# Altium PCB JP-LED.PcbDoc (part 2 of 2)
Units mm, origin at the board's own origin, x right, y up, seen from the top; angles counter-clockwise.
Board outline 116.58 x 76.58 mm, 2 copper layers (Top Layer, Bottom Layer); 109 components, 22 nets, 244 pads, 139 vias.
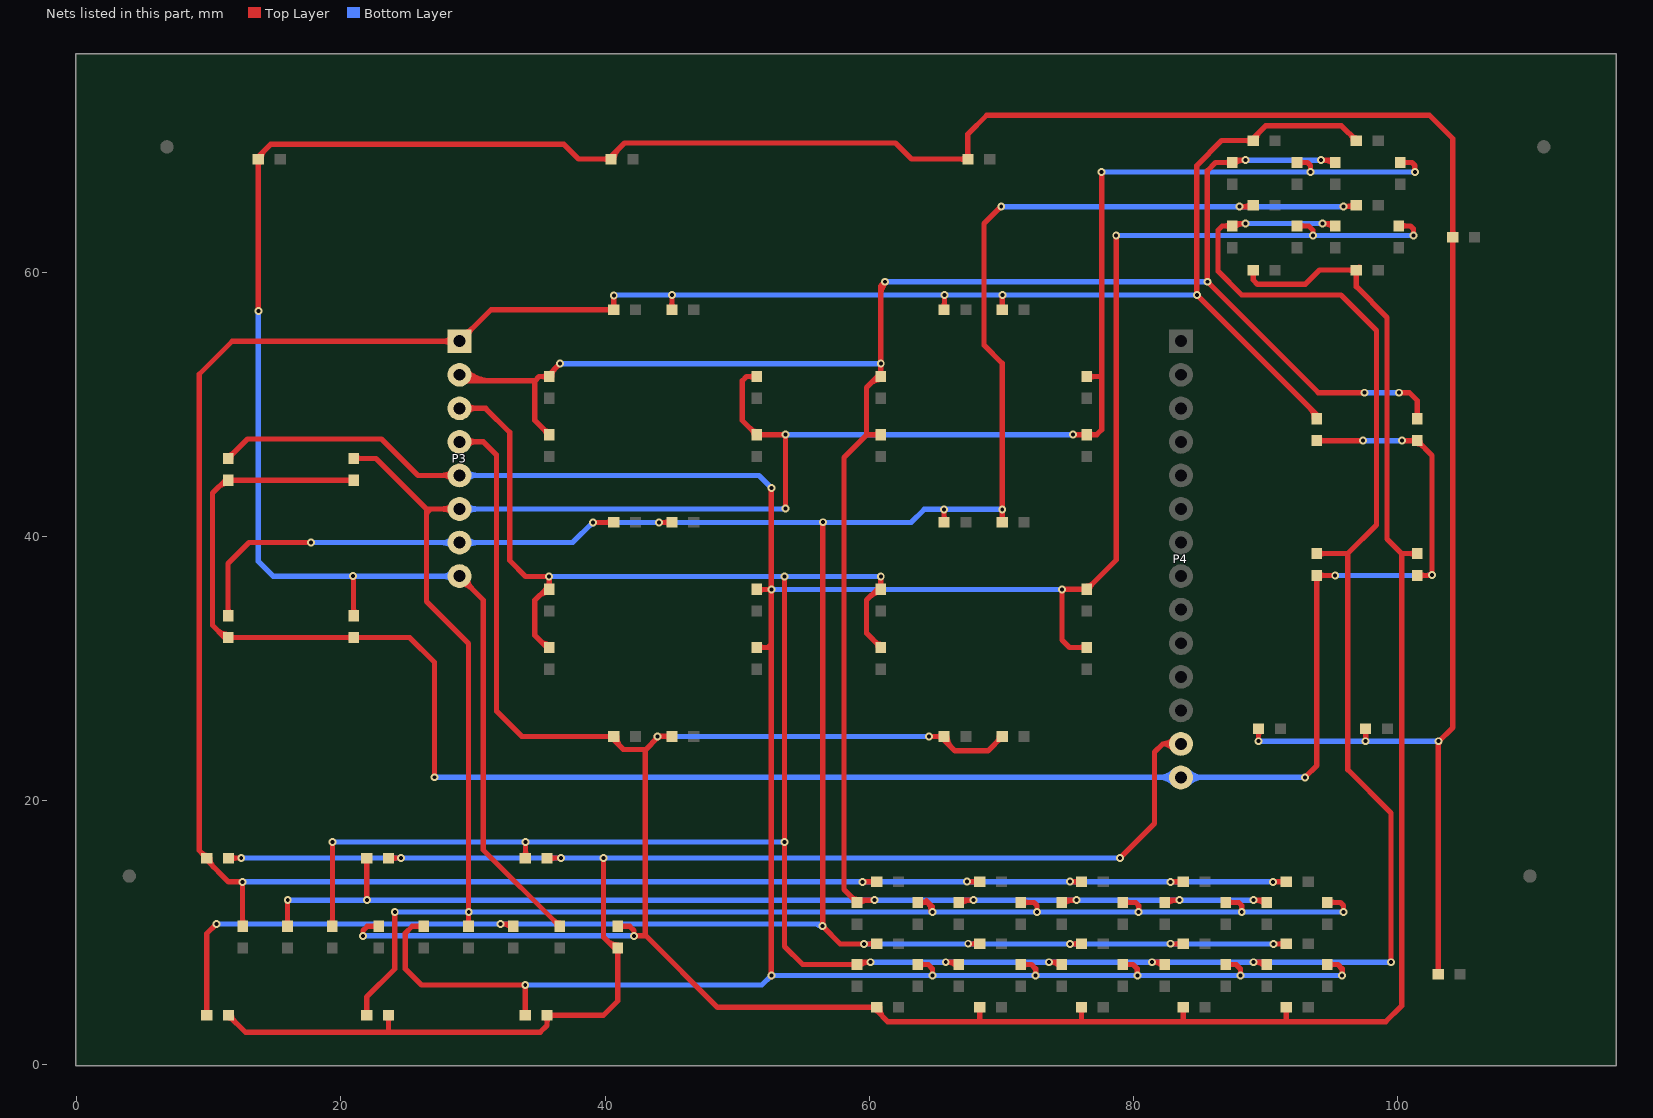
[diagram p2: the nets of this part, all layers, seen from the top]

## Via types
v1: diameter 0.6, hole 0.3, Top Layer to Bottom Layer, tented both sides, 139 vias

## Nets (pads, with @x,y where several pads share a name; then routed paths per layer and width w, separated by ;. In a path a pad name is that pad's centre, name@x,y a point inside that pad or via, vN(x,y) a via of type N, cw(c..) or ccw(c..) an arc to the next point about the centre after c; other vN are vias at no path point) (continued)
GRID13: D56.2 D65.2 D74.2 D83.2 D92.2 D101.2 D102.2 P4.13 | length 140.6
  Top Layer w0.4: D102.2@11.514,3.759 12.795,2.477 35.088,2.477 35.614,3.003 D92.2@35.614,3.759 39.87,3.759 40.97,4.859 D83.2@40.97,8.852 40.714,8.852 39.888,9.677 v1(39.888,15.677) ; D56.2@11.514,15.659 v1(12.47,15.659) ; 23.614,2.703 D101.2@23.614,3.759 ; D65.2@23.614,15.659 v1(24.57,15.659) ; D74.2@35.614,15.659 v1(36.67,15.659) ; v1(78.988,15.677) 81.588,18.277 81.588,23.677 82.208,24.297 ; P4.13@83.023,23.884 ccw(c82.208,23.287) 82.208,24.297 ; P4.13@83.023,24.711 cw(c82.208,25.307) 82.208,24.297 ; P4.13@83.588,24.297 82.208,24.297 ; 12.022,15.659 cw(c12.022,16.142) 11.68,15.8 ccw(c12.022,16.142) 12.022,15.659 ; 12.022,15.659 ccw(c12.022,15.176) 11.68,15.517 cw(c12.022,15.176) 12.022,15.659 ; 23.614,3.276 cw(c24.097,3.276) 23.755,3.617 ccw(c24.097,3.276) 23.614,3.276 ; 23.614,3.276 ccw(c23.131,3.276) 23.472,3.617 cw(c23.131,3.276) 23.614,3.276 ; 24.122,15.659 cw(c24.122,16.142) 23.78,15.8 ccw(c24.122,16.142) 24.122,15.659 ; 24.122,15.659 ccw(c24.122,15.176) 23.78,15.517 cw(c24.122,15.176) 24.122,15.659 ; 35.614,3.276 cw(c36.097,3.276) 35.755,3.617 ccw(c36.097,3.276) 35.614,3.276 ; 35.614,3.276 ccw(c35.131,3.276) 35.472,3.617 cw(c35.131,3.276) 35.614,3.276 ; 36.122,3.759 cw(c36.122,4.242) 35.78,3.9 ccw(c36.122,4.242) 36.122,3.759 ; 36.122,3.759 ccw(c36.122,3.276) 35.78,3.617 cw(c36.122,3.276) 36.122,3.759 ; 36.122,15.659 cw(c36.122,16.142) 35.78,15.8 ccw(c36.122,16.142) 36.122,15.659 ; 36.122,15.659 ccw(c36.122,15.176) 35.78,15.517 cw(c36.122,15.176) 36.122,15.659 ; 40.97,8.344 cw(c41.453,8.344) 41.111,8.685 ccw(c41.453,8.344) 40.97,8.344 ; 40.97,8.344 ccw(c40.487,8.344) 40.829,8.685 cw(c40.487,8.344) 40.97,8.344 ; D102.2@11.539,3.559 cw(c11.539,3.136) 11.837,3.435 ccw(c11.539,3.136) D102.2@11.539,3.559 ; D102.2@11.739,3.759 ccw(c12.282,3.759) 11.898,3.375 cw(c12.282,3.759) D102.2@11.739,3.759 ; 40.148,9.417 ccw(c40.97,10.238) 40.97,9.077 cw(c40.97,10.238) 40.148,9.417
  Bottom Layer w0.4: v1@12.506,15.659 v1(24.57,15.659) v1(36.67,15.659) v1@79.088,15.659
GRID14: D14.2 D58.2 D67.2 D75.2 D76.2 D85.2 D94.2 D103.2 P4.14 | length 189.3
  Top Layer w0.4: D103.2@20.97,44.252 11.263,44.252 10.288,43.277 10.288,33.277 11.214,32.352 D75.2@11.47,32.352 D14.2@20.97,32.352 ; D14.2@21.114,32.352 D14.2@20.97,32.352 ; v1(27.088,21.777) 27.088,30.477 25.214,32.352 D14.2@20.97,32.352 ; v1@92.988,21.777 93.87,22.659 D76.2@93.87,37.052 v1(95.263,37.052) ; D58.2@93.87,47.252 v1(97.363,47.252) ; v1(100.314,47.252) D67.2@101.47,47.252 102.588,46.133 v1(102.588,37.077) 102.563,37.052 D85.2@101.47,37.052 ; 11.953,32.352 cw(c11.953,32.835) 11.611,32.493 ccw(c11.953,32.835) 11.953,32.352 ; 11.953,32.352 ccw(c11.953,31.869) 11.611,32.21 cw(c11.953,31.869) 11.953,32.352 ; 11.953,44.252 cw(c11.953,44.735) 11.611,44.393 ccw(c11.953,44.735) 11.953,44.252 ; 11.953,44.252 ccw(c11.953,43.769) 11.611,44.11 cw(c11.953,43.769) 11.953,44.252 ; 20.487,32.352 cw(c20.487,31.869) 20.829,32.21 ccw(c20.487,31.869) 20.487,32.352 ; 20.487,32.352 ccw(c20.487,32.835) 20.829,32.493 cw(c20.487,32.835) 20.487,32.352 ; 20.487,44.252 cw(c20.487,43.769) 20.829,44.11 ccw(c20.487,43.769) 20.487,44.252 ; 20.487,44.252 ccw(c20.487,44.735) 20.829,44.393 cw(c20.487,44.735) 20.487,44.252 ; 21.453,32.352 cw(c21.453,32.835) 21.111,32.493 ccw(c21.453,32.835) 21.453,32.352 ; 21.453,32.352 ccw(c21.453,31.869) 21.111,32.21 cw(c21.453,31.869) 21.453,32.352 ; 93.87,36.544 cw(c94.353,36.544) 94.011,36.885 ccw(c94.353,36.544) 93.87,36.544 ; 93.87,36.544 ccw(c93.387,36.544) 93.729,36.885 cw(c93.387,36.544) 93.87,36.544 ; 94.353,37.052 cw(c94.353,37.535) 94.011,37.193 ccw(c94.353,37.535) 94.353,37.052 ; 94.353,37.052 ccw(c94.353,36.569) 94.011,36.91 cw(c94.353,36.569) 94.353,37.052 ; 94.353,47.252 cw(c94.353,47.735) 94.011,47.393 ccw(c94.353,47.735) 94.353,47.252 ; 94.353,47.252 ccw(c94.353,46.769) 94.011,47.11 cw(c94.353,46.769) 94.353,47.252 ; 100.987,47.252 cw(c100.987,46.769) 101.329,47.11 ccw(c100.987,46.769) 100.987,47.252 ; 100.987,47.252 ccw(c100.987,47.735) 101.329,47.393 cw(c100.987,47.735) 100.987,47.252 ; 101.953,37.052 cw(c101.953,37.535) 101.611,37.193 ccw(c101.953,37.535) 101.953,37.052 ; 101.953,37.052 ccw(c101.953,36.569) 101.611,36.91 cw(c101.953,36.569) 101.953,37.052 ; 10.648,32.917 ccw(c11.47,33.738) 11.47,32.577 cw(c11.47,33.738) 10.648,32.917 ; 10.732,43.721 cw(c11.47,42.983) 11.47,44.027 ccw(c11.47,42.983) 10.732,43.721 ; D67.2@101.47,47.027 cw(c101.47,46.483) 101.854,46.868 ccw(c101.47,46.483) D67.2@101.47,47.027 ; D67.2@101.67,47.227 ccw(c102.092,47.227) 101.794,46.928 cw(c102.092,47.227) D67.2@101.67,47.227 ; 102.285,37.052 ccw(c102.285,37.38) 102.517,37.148 cw(c102.285,37.38) 102.285,37.052
  Bottom Layer w0.4: v1(27.088,21.777) v1@92.968,21.777 ; v1@92.968,21.757 v1(92.988,21.757) ; v1(95.263,37.052) v1@102.588,37.052 ; v1(97.363,47.252) v1(100.314,47.252) ; 81.85,21.777 cw(c81.85,20.019) 83.093,21.262 ccw(c81.85,20.019) 81.85,21.777 ; 81.947,21.777 ccw(c81.947,23.399) 83.093,22.252 cw(c81.947,23.399) 81.947,21.777 ; P4.14@84.083,21.262 cw(c85.326,20.019) 85.326,21.777 ccw(c85.326,20.019) P4.14@84.083,21.262 ; P4.14@84.083,22.252 ccw(c85.23,23.399) 85.23,21.777 cw(c85.23,23.399) P4.14@84.083,22.252 ; 102.285,37.052 ccw(c102.285,37.38) 102.517,37.148 cw(c102.285,37.38) 102.285,37.052
SEG1: D1.1 D9.1 D15.1 D16.1 D17.1 D18.1 D23.1 D31.1 D39.1 D47.1 D54.1 D55.1 D56.1 D58.1 P3.1 | length 281.1
  Top Layer w0.4: D55.1@12.57,10.503 v1(12.57,13.859) 11.506,13.859 9.863,15.503 D56.1@9.863,15.659 9.288,16.233 9.288,52.277 11.788,54.777 P3.1@28.988,54.777 31.37,57.159 D23.1@40.663,57.159 v1(40.663,58.252) ; D31.1@45.063,57.159 v1(45.063,58.277) ; v1@59.588,13.859 D15.1@60.563,13.859 ; v1(65.688,58.277) 65.688,57.377 D39.1@65.663,57.352 ; v1@67.406,13.859 D16.1@68.363,13.859 D16.1@68.388,13.884 ; D47.1@70.063,57.159 v1@70.063,58.203 ; v1@75.206,13.859 D17.1@76.063,13.859 ; v1(82.806,13.859) D18.1@83.763,13.859 ; v1(90.57,13.859) D54.1@91.563,13.859 D54.1@91.544,13.877 ; D58.1@93.87,48.903 93.87,49.195 v1(84.788,58.277) 84.788,68.077 86.67,69.959 D1.1@89.063,69.959 89.063,70.152 89.988,71.077 95.744,71.077 D9.1@96.863,69.959 ; 12.57,11.011 cw(c12.087,11.011) 12.429,10.669 ccw(c12.087,11.011) 12.57,11.011 ; 12.57,11.011 ccw(c13.053,11.011) 12.711,10.669 cw(c13.053,11.011) 12.57,11.011 ; 27.66,54.777 cw(c27.66,53.449) 28.599,54.388 ccw(c27.66,53.449) 27.66,54.777 ; 27.66,54.777 ccw(c27.66,56.105) 28.599,55.166 cw(c27.66,56.105) 27.66,54.777 ; 29.927,55.716 cw(c28.988,56.655) 28.988,55.327 ccw(c28.988,56.655) 29.927,55.716 ; 29.927,55.716 ccw(c30.866,54.777) 29.538,54.777 cw(c30.866,54.777) 29.927,55.716 ; 40.155,57.159 cw(c40.155,56.676) 40.496,57.017 ccw(c40.155,56.676) 40.155,57.159 ; 40.155,57.159 ccw(c40.155,57.642) 40.496,57.3 cw(c40.155,57.642) 40.155,57.159 ; 40.663,57.642 cw(c40.18,57.642) 40.521,57.3 ccw(c40.18,57.642) 40.663,57.642 ; 40.663,57.642 ccw(c41.146,57.642) 40.804,57.3 cw(c41.146,57.642) 40.663,57.642 ; 45.063,57.642 cw(c44.58,57.642) 44.921,57.3 ccw(c44.58,57.642) 45.063,57.642 ; 45.063,57.642 ccw(c45.546,57.642) 45.204,57.3 cw(c45.546,57.642) 45.063,57.642 ; 60.055,13.859 cw(c60.055,13.376) 60.396,13.717 ccw(c60.055,13.376) 60.055,13.859 ; 60.055,13.859 ccw(c60.055,14.342) 60.396,14 cw(c60.055,14.342) 60.055,13.859 ; D39.1@65.663,57.352 D39.1@65.663,57.159 65.47,57.159 D39.1@65.663,57.352 ; 67.855,13.859 cw(c67.855,13.376) 68.196,13.717 ccw(c67.855,13.376) 67.855,13.859 ; 67.855,13.859 ccw(c67.855,14.342) 68.196,14 cw(c67.855,14.342) 67.855,13.859 ; 70.063,57.642 cw(c69.58,57.642) 69.921,57.3 ccw(c69.58,57.642) 70.063,57.642 ; 70.063,57.642 ccw(c70.546,57.642) 70.204,57.3 cw(c70.546,57.642) 70.063,57.642 ; 75.555,13.859 cw(c75.555,13.376) 75.896,13.717 ccw(c75.555,13.376) 75.555,13.859 ; 75.555,13.859 ccw(c75.555,14.342) 75.896,14 cw(c75.555,14.342) 75.555,13.859 ; 83.255,13.859 cw(c83.255,13.376) 83.596,13.717 ccw(c83.255,13.376) 83.255,13.859 ; 83.255,13.859 ccw(c83.255,14.342) 83.596,14 cw(c83.255,14.342) 83.255,13.859 ; 88.555,69.959 cw(c88.555,69.476) 88.896,69.817 ccw(c88.555,69.476) 88.555,69.959 ; 88.555,69.959 ccw(c88.555,70.442) 88.896,70.1 cw(c88.555,70.442) 88.555,69.959 ; 91.055,13.859 cw(c91.055,13.376) 91.396,13.717 ccw(c91.055,13.376) 91.055,13.859 ; 91.055,13.859 ccw(c91.055,14.342) 91.396,14 cw(c91.055,14.342) 91.055,13.859 ; D56.1@9.479,16.043 cw(c9.095,15.659) 9.638,15.659 ccw(c9.095,15.659) D56.1@9.479,16.043 ; D56.1@9.539,15.983 ccw(c9.838,16.281) 9.838,15.859 cw(c9.838,16.281) D56.1@9.539,15.983 ; D56.1@10.088,15.659 ccw(c11.008,15.659) 10.357,15.008 cw(c11.008,15.659) D56.1@10.088,15.659 ; D39.1@65.546,57.3 ccw(c65.204,57.643) 65.688,57.643 cw(c65.204,57.643) D39.1@65.546,57.3 ; 65.688,57.641 ccw(c66.169,57.641) 65.829,57.3 cw(c66.169,57.641) 65.688,57.641 ; 70.063,57.974 cw(c70.391,57.974) 70.159,58.206 ccw(c70.391,57.974) 70.063,57.974 ; D1.1@89.288,69.959 cw(c90.296,69.959) 89.583,70.672 ccw(c90.296,69.959) D1.1@89.288,69.959 ; 93.339,49.726 cw(c92.541,48.928) 93.67,48.928 ccw(c92.541,48.928) 93.339,49.726 ; D9.1@96.479,70.343 cw(c96.095,69.959) 96.638,69.959 ccw(c96.095,69.959) D9.1@96.479,70.343 ; D9.1@96.539,70.283 ccw(c96.838,70.581) 96.838,70.159 cw(c96.838,70.581) D9.1@96.539,70.283
  Bottom Layer w0.4: v1(12.57,13.859) v1(82.806,13.859) v1(90.57,13.859) ; v1@40.688,58.277 v1(45.063,58.277) v1(65.688,58.277) v1(70.088,58.277) v1(84.788,58.277) ; v1@40.733,58.181 cw(c40.966,57.949) 40.966,58.277 ccw(c40.966,57.949) v1@40.733,58.181
  other v1: 59.488,13.859 67.388,13.877 75.188,13.877
SEG2: D2.1 D10.1 D24.1 D32.1 D40.1 D48.1 D59.1 D60.1 D61.1 D62.1 D63.1 D64.1 D65.1 D67.1 P3.2 | length 271.8
  Top Layer w0.4: D64.1@15.97,10.503 v1@15.97,12.477 ; v1@21.963,12.503 D65.1@21.963,15.659 ; P3.2@29.448,51.777 34.688,51.777 ; D24.1@35.748,52.237 v1(36.588,53.077) ; D32.1@35.77,47.703 34.688,48.784 34.688,51.777 ; D24.1@35.77,52.103 35.014,52.103 34.688,51.777 ; D59.1@59.044,12.477 v1(60.388,12.477) ; D59.1@59.07,12.303 58.088,13.284 58.088,45.977 59.788,47.677 59.788,51.277 60.614,52.103 D40.1@60.87,52.103 ; 59.863,47.703 D48.1@60.87,47.703 ; D40.1@60.714,52.103 D40.1@60.87,52.103 ; v1(61.188,59.277) 60.87,58.959 60.87,58.259 60.87,58.077 v1(60.87,53.077) D40.1@60.87,52.103 ; D60.1@66.944,12.477 v1(67.888,12.477) ; D61.1@74.744,12.477 v1(75.688,12.477) ; D62.1@82.544,12.477 v1(83.488,12.477) ; D2.1@87.47,68.303 86.214,68.303 85.588,67.677 v1(85.588,59.277) 93.988,50.877 v1(97.488,50.877) ; D2.1@87.544,68.477 v1(88.488,68.477) v1@88.588,68.477 ; v1(89.088,12.477) D63.1@89.888,12.477 ; v1(94.188,68.477) D10.1@95.095,68.477 ; v1(100.088,50.877) 100.888,50.877 101.47,50.295 D67.1@101.47,48.903 ; 15.97,11.011 cw(c15.487,11.011) 15.829,10.669 ccw(c15.487,11.011) 15.97,11.011 ; 15.97,11.011 ccw(c16.453,11.011) 16.111,10.669 cw(c16.453,11.011) 15.97,11.011 ; 21.963,15.176 cw(c22.446,15.176) 22.104,15.517 ccw(c22.446,15.176) 21.963,15.176 ; 21.963,15.176 ccw(c21.48,15.176) 21.821,15.517 cw(c21.48,15.176) 21.963,15.176 ; 35.287,52.103 cw(c35.287,51.62) 35.629,51.961 ccw(c35.287,51.62) 35.287,52.103 ; 35.287,52.103 ccw(c35.287,52.586) 35.629,52.244 cw(c35.287,52.586) 35.287,52.103 ; 60.387,47.703 cw(c60.387,47.22) 60.729,47.561 ccw(c60.387,47.22) 60.387,47.703 ; 60.387,47.703 ccw(c60.387,48.186) 60.729,47.844 cw(c60.387,48.186) 60.387,47.703 ; 60.87,52.611 cw(c60.387,52.611) 60.729,52.269 ccw(c60.387,52.611) 60.87,52.611 ; 60.87,52.611 ccw(c61.353,52.611) 61.011,52.269 cw(c61.353,52.611) 60.87,52.611 ; 86.987,68.303 cw(c86.987,67.82) 87.329,68.161 ccw(c86.987,67.82) 86.987,68.303 ; 86.987,68.303 ccw(c86.987,68.786) 87.329,68.444 cw(c86.987,68.786) 86.987,68.303 ; 101.47,49.411 cw(c100.987,49.411) 101.329,49.069 ccw(c100.987,49.411) 101.47,49.411 ; 101.47,49.411 ccw(c101.953,49.411) 101.611,49.069 cw(c101.953,49.411) 101.47,49.411 ; 21.963,12.78 ccw(c22.291,12.78) 22.059,12.548 cw(c22.291,12.78) 21.963,12.78 ; P3.2@29.094,52.343 ccw(c30.461,53.71) 30.461,51.777 cw(c30.461,53.71) P3.2@29.094,52.343 ; P3.2@29.377,52.626 ccw(c31.427,54.676) 31.427,51.777 cw(c31.427,54.676) P3.2@29.377,52.626 ; D32.1@35.386,48.087 ccw(c35.77,48.471) 35.77,47.928 cw(c35.77,48.471) D32.1@35.386,48.087 ; D32.1@35.446,48.026 cw(c35.147,47.728) 35.57,47.728 ccw(c35.147,47.728) D32.1@35.446,48.026 ; D24.1@35.97,52.128 cw(c36.77,52.128) 36.204,52.693 ccw(c36.77,52.128) D24.1@35.97,52.128 ; D59.1@58.686,12.687 ccw(c59.07,13.071) 59.07,12.528 cw(c59.07,13.071) D59.1@58.686,12.687 ; D59.1@58.746,12.626 cw(c58.447,12.328) 58.87,12.328 ccw(c58.447,12.328) D59.1@58.746,12.626 ; D59.1@59.211,12.186 cw(c59.914,11.484) 59.914,12.477 ccw(c59.914,11.484) D59.1@59.211,12.186 ; 60.048,51.537 cw(c60.87,50.716) 60.87,51.878 ccw(c60.87,50.716) 60.048,51.537 ; 60.87,58.267 cw(c62.198,58.267) 61.259,59.206 ccw(c62.198,58.267) 60.87,58.267 ; 60.87,58.827 cw(c61.221,58.827) 61.196,59.177 ccw(c61.221,58.827) 60.87,58.827 ; D60.1@66.911,12.186 cw(c67.614,11.484) 67.614,12.477 ccw(c67.614,11.484) D60.1@66.911,12.186 ; D61.1@74.711,12.186 cw(c75.414,11.484) 75.414,12.477 ccw(c75.414,11.484) D61.1@74.711,12.186 ; D62.1@82.511,12.186 cw(c83.214,11.484) 83.214,12.477 ccw(c83.214,11.484) D62.1@82.511,12.186 ; D2.1@87.611,68.186 cw(c88.314,67.484) 88.314,68.477 ccw(c88.314,67.484) D2.1@87.611,68.186 ; v1@89.226,12.477 cw(c89.226,11.484) 89.929,12.186 ccw(c89.226,11.484) v1@89.226,12.477 ; v1@94.426,68.477 cw(c94.426,67.484) 95.129,68.186 ccw(c94.426,67.484) v1@94.426,68.477
  Bottom Layer w0.4: v1(15.988,12.477) v1(60.388,12.477) v1(67.888,12.477) v1(75.688,12.477) v1(83.488,12.477) v1(89.088,12.477) ; v1@36.688,53.077 v1(60.87,53.077) ; v1(61.188,59.277) v1(85.588,59.277) ; v1(88.488,68.477) v1(94.188,68.477) ; v1(97.488,50.877) v1@99.888,50.877
  other v1: 21.988,12.477
SEG3: D3.1 D11.1 D25.1 D33.1 D41.1 D49.1 D68.1 D69.1 D70.1 D71.1 D72.1 D73.1 D74.1 D76.1 P3.3 | length 283.3
  Top Layer w0.4: D73.1@19.37,10.503 v1@19.37,16.877 ; P3.3@28.988,49.697 30.968,49.697 32.788,47.877 32.788,38.177 33.988,36.977 v1(35.77,36.977) D25.1@35.77,36.003 ; D74.1@33.846,15.8 ccw(c33.504,16.143) 33.988,16.143 ; D74.1@33.988,15.684 v1(33.988,16.877) ; 33.988,16.141 ccw(c34.469,16.141) D74.1@34.129,15.8 ; 34.948,35.437 cw(c35.77,34.616) D25.1@35.77,35.778 ; 35.076,32.115 ccw(c35.77,32.81) D33.1@35.77,31.828 ; D25.1@35.514,36.003 34.688,35.177 34.688,32.503 35.588,31.603 D33.1@35.77,31.603 ; v1(53.588,36.977) v1(53.588,16.877) 53.588,8.977 54.963,7.603 D68.1@59.07,7.603 ; D68.1@59.244,7.777 v1(60.088,7.777) ; D49.1@60.87,31.603 59.788,32.684 59.788,35.177 60.614,36.003 D41.1@60.87,36.003 v1(60.87,36.977) ; v1(65.788,7.777) D69.1@66.595,7.777 ; v1(73.588,7.777) D70.1@74.395,7.777 ; v1(81.388,7.777) D71.1@82.195,7.777 ; 86.388,60.677 86.388,60.977 ; D3.1@87.47,63.503 86.714,63.503 86.388,63.177 86.388,60.977 ; D3.1@87.495,63.677 v1(88.488,63.677) ; v1(89.088,7.777) D72.1@89.895,7.777 ; D76.1@93.87,38.703 96.214,38.703 ; v1(94.288,63.677) D11.1@95.095,63.677 ; v1(99.488,7.777) 99.488,19.077 96.214,22.352 96.214,38.703 ; 19.37,11.011 cw(c18.887,11.011) 19.229,10.669 ccw(c18.887,11.011) 19.37,11.011 ; 19.37,11.011 ccw(c19.853,11.011) 19.511,10.669 cw(c19.853,11.011) 19.37,11.011 ; 30.316,49.697 cw(c30.316,51.025) 29.377,50.086 ccw(c30.316,51.025) 30.316,49.697 ; 30.316,49.697 ccw(c30.316,48.369) 29.377,49.308 cw(c30.316,48.369) 30.316,49.697 ; 35.77,36.511 cw(c35.287,36.511) 35.629,36.169 ccw(c35.287,36.511) 35.77,36.511 ; 35.77,36.511 ccw(c36.253,36.511) 35.911,36.169 cw(c36.253,36.511) 35.77,36.511 ; 58.587,7.603 cw(c58.587,7.12) 58.929,7.461 ccw(c58.587,7.12) 58.587,7.603 ; 58.587,7.603 ccw(c58.587,8.086) 58.929,7.744 cw(c58.587,8.086) 58.587,7.603 ; 60.87,36.511 cw(c60.387,36.511) 60.729,36.169 ccw(c60.387,36.511) 60.87,36.511 ; 60.87,36.511 ccw(c61.353,36.511) 61.011,36.169 cw(c61.353,36.511) 60.87,36.511 ; 86.388,60.977 86.388,60.077 88.188,58.277 95.688,58.277 98.388,55.577 98.388,40.877 96.214,38.703 ; 86.987,63.503 cw(c86.987,63.02) 87.329,63.361 ccw(c86.987,63.02) 86.987,63.503 ; 86.987,63.503 ccw(c86.987,63.986) 87.329,63.644 cw(c86.987,63.986) 86.987,63.503 ; 94.353,38.703 cw(c94.353,39.186) 94.011,38.844 ccw(c94.353,39.186) 94.353,38.703 ; 94.353,38.703 ccw(c94.353,38.22) 94.011,38.561 cw(c94.353,38.22) 94.353,38.703 ; D68.1@59.211,7.486 cw(c59.914,6.784) 59.914,7.777 ccw(c59.914,6.784) D68.1@59.211,7.486 ; 60.048,35.437 cw(c60.87,34.616) 60.87,35.778 ccw(c60.87,34.616) 60.048,35.437 ; D49.1@60.486,31.987 ccw(c60.87,32.371) 60.87,31.828 cw(c60.87,32.371) D49.1@60.486,31.987 ; D49.1@60.546,31.926 cw(c60.247,31.628) 60.67,31.628 ccw(c60.247,31.628) D49.1@60.546,31.926 ; v1@65.926,7.777 cw(c65.926,6.784) 66.629,7.486 ccw(c65.926,6.784) v1@65.926,7.777 ; v1@73.726,7.777 cw(c73.726,6.784) 74.429,7.486 ccw(c73.726,6.784) v1@73.726,7.777 ; v1@81.526,7.777 cw(c81.526,6.784) 82.229,7.486 ccw(c81.526,6.784) v1@81.526,7.777 ; D3.1@87.611,63.386 cw(c88.314,62.684) 88.314,63.677 ccw(c88.314,62.684) D3.1@87.611,63.386 ; v1@89.226,7.777 cw(c89.226,6.784) 89.929,7.486 ccw(c89.226,6.784) v1@89.226,7.777 ; v1@94.426,63.677 cw(c94.426,62.684) 95.129,63.386 ccw(c94.426,62.684) v1@94.426,63.677
  Bottom Layer w0.4: v1(19.388,16.877) v1(33.988,16.877) v1(53.588,16.877) ; v1@35.788,36.977 v1(53.588,36.977) v1(60.87,36.977) ; v1(60.088,7.777) v1(65.788,7.777) v1(73.588,7.777) v1(81.388,7.777) v1(89.088,7.777) v1(99.488,7.777) ; v1(88.488,63.677) v1(94.288,63.677)
SEG4: D4.1 D12.1 D26.1 D34.1 D42.1 D50.1 D77.1 D78.1 D79.1 D80.1 D81.1 D82.1 D83.1 D85.1 P3.4 | length 264
  Top Layer w0.4: v1(21.688,9.777) 21.688,10.177 22.014,10.503 D82.1@22.87,10.503 ; P3.4@28.988,47.157 30.808,47.157 31.788,46.177 31.788,26.777 33.707,24.859 D26.1@40.663,24.859 40.663,24.603 41.388,23.877 43.088,23.877 ; D26.1@40.888,24.859 ccw(c42.049,24.859) 41.228,24.037 ; D83.1@40.97,10.503 41.863,10.503 42.188,10.177 v1(42.188,9.777) 43.088,9.777 48.506,4.359 D77.1@60.563,4.359 60.563,4.103 61.388,3.277 99.088,3.277 100.288,4.477 100.288,38.703 ; 42.988,23.777 43.045,23.834 ; 43.045,9.834 43.045,23.834 ; 43.74,24.529 ccw(c43.398,24.87) v1@43.881,24.87 ; D34.1@45.052,24.87 v1(43.981,24.87) 43.981,24.77 43.088,23.877 ; D77.1@60.396,4.217 ccw(c60.055,3.876) 60.055,4.359 ccw(c60.055,4.842) D77.1@60.396,4.5 ; D77.1@60.788,4.359 ccw(c61.949,4.359) 61.128,3.537 ; v1(64.506,24.859) D42.1@65.663,24.859 ; D42.1@65.663,25.077 D42.1@65.663,24.859 ; D78.1@68.221,4.217 cw(c67.88,3.876) 68.363,3.876 cw(c68.846,3.876) D78.1@68.504,4.217 ; 68.363,3.303 D78.1@68.363,4.359 ; D50.1@70.063,24.859 68.981,23.777 66.488,23.777 65.663,24.603 D42.1@65.663,24.859 ; D79.1@75.921,4.217 cw(c75.58,3.876) 76.063,3.876 cw(c76.546,3.876) D79.1@76.204,4.217 ; 76.063,3.303 D79.1@76.063,4.359 ; D80.1@83.621,4.217 cw(c83.28,3.876) 83.763,3.876 cw(c84.246,3.876) D80.1@83.904,4.217 ; 83.763,3.303 D80.1@83.763,4.359 ; D4.1@89.063,60.159 89.063,59.403 89.388,59.077 92.988,59.077 94.07,60.159 D12.1@96.863,60.159 ; D81.1@91.421,4.217 cw(c91.08,3.876) 91.563,3.876 cw(c92.046,3.876) D81.1@91.704,4.217 ; 91.563,3.277 D81.1@91.563,4.359 ; D12.1@97.088,60.159 97.088,60.384 D12.1@96.863,60.159 ; D85.1@101.47,38.703 100.288,38.703 ; 22.387,10.503 cw(c22.387,10.02) 22.729,10.361 ccw(c22.387,10.02) 22.387,10.503 ; 22.387,10.503 ccw(c22.387,10.986) 22.729,10.644 cw(c22.387,10.986) 22.387,10.503 ; 30.316,47.157 cw(c30.316,48.485) 29.377,47.546 ccw(c30.316,48.485) 30.316,47.157 ; 30.316,47.157 ccw(c30.316,45.829) 29.377,46.768 cw(c30.316,45.829) 30.316,47.157 ; 40.155,24.859 cw(c40.155,24.376) 40.496,24.717 ccw(c40.155,24.376) 40.155,24.859 ; 40.155,24.859 ccw(c40.155,25.342) 40.496,25 cw(c40.155,25.342) 40.155,24.859 ; 41.453,10.503 cw(c41.453,10.986) 41.111,10.644 ccw(c41.453,10.986) 41.453,10.503 ; 41.453,10.503 ccw(c41.453,10.02) 41.111,10.361 cw(c41.453,10.02) 41.453,10.503 ; 43.045,23.834 43.088,23.877 ; 65.155,24.859 cw(c65.155,24.376) 65.496,24.717 ccw(c65.155,24.376) 65.155,24.859 ; 65.155,24.859 ccw(c65.155,25.342) 65.496,25 cw(c65.155,25.342) 65.155,24.859 ; 89.063,59.676 cw(c89.546,59.676) 89.204,60.017 ccw(c89.546,59.676) 89.063,59.676 ; 89.063,59.676 ccw(c88.58,59.676) 88.921,60.017 cw(c88.58,59.676) 89.063,59.676 ; 96.355,60.159 cw(c96.355,59.676) 96.696,60.017 ccw(c96.355,59.676) 96.355,60.159 ; 96.355,60.159 ccw(c96.355,60.642) 96.696,60.3 cw(c96.355,60.642) 96.355,60.159 ; 96.863,59.676 cw(c97.346,59.676) 97.004,60.017 ccw(c97.346,59.676) 96.863,59.676 ; 96.863,59.676 ccw(c96.38,59.676) 96.721,60.017 cw(c96.38,59.676) 96.863,59.676 ; D12.1@96.863,60.159 96.863,58.903 99.188,56.577 99.188,39.803 100.288,38.703 ; 100.987,38.703 cw(c100.987,38.22) 101.329,38.561 ccw(c100.987,38.22) 100.987,38.703 ; 100.987,38.703 ccw(c100.987,39.186) 101.329,38.844 cw(c100.987,39.186) 100.987,38.703 ; 44.528,24.87 cw(c44.528,24.349) 44.896,24.717 ccw(c44.528,24.349) 44.528,24.87 ; 44.582,24.87 ccw(c44.582,25.315) 44.896,25 cw(c44.582,25.315) 44.582,24.87 ; D42.1@65.888,24.859 ccw(c67.049,24.859) 66.228,24.037 cw(c67.049,24.859) D42.1@65.888,24.859 ; D50.1@69.679,24.475 ccw(c69.295,24.859) 69.838,24.859 cw(c69.295,24.859) D50.1@69.679,24.475 ; D50.1@69.739,24.535 cw(c70.038,24.236) 70.038,24.659 ccw(c70.038,24.236) D50.1@69.739,24.535
  Bottom Layer w0.4: v1(21.688,9.777) v1(42.188,9.777) ; v1@43.981,24.859 v1(64.506,24.859)
SEG5: D5.1 D19.1 D27.1 D35.1 D43.1 D51.1 D86.1 D87.1 D88.1 D89.1 D90.1 D91.1 D92.1 D94.1 P3.5 | length 284.5
  Top Layer w0.4: D94.1@11.47,45.903 12.944,47.377 23.088,47.377 25.848,44.617 P3.5@28.988,44.617 ; D91.1@26.27,10.503 25.414,10.503 24.888,9.977 24.888,7.277 26.114,6.052 v1(33.963,6.052) D92.1@33.963,3.759 ; D35.1@51.47,31.603 52.314,31.603 52.588,31.877 ; D27.1@51.47,36.003 51.495,35.977 v1(52.588,35.977) ; v1@52.588,6.677 v1(52.588,6.777) 52.588,31.877 ; v1@52.588,43.577 v1(52.588,35.977) ; D86.1@63.67,7.603 64.463,7.603 64.788,7.277 v1@64.788,6.877 ; D87.1@71.47,7.603 72.263,7.603 72.588,7.277 v1(72.588,6.777) ; D51.1@76.47,31.603 75.163,31.603 74.588,32.177 v1(74.588,35.977) 74.588,36.003 D43.1@76.47,36.003 78.688,38.221 v1(78.688,62.777) ; D88.1@79.17,7.603 79.963,7.603 80.288,7.277 v1(80.288,6.777) ; D89.1@86.97,7.603 87.763,7.603 88.088,7.277 v1(88.088,6.777) ; D5.1@92.37,63.503 93.263,63.503 93.588,63.177 v1@93.588,62.877 ; D90.1@94.67,7.603 95.463,7.603 95.788,7.277 v1(95.788,6.777) ; D19.1@100.07,63.503 100.963,63.503 101.188,63.277 v1(101.188,62.777) ; 25.787,10.503 cw(c25.787,10.02) 26.129,10.361 ccw(c25.787,10.02) 25.787,10.503 ; 25.787,10.503 ccw(c25.787,10.986) 26.129,10.644 cw(c25.787,10.986) 25.787,10.503 ; 27.66,44.617 cw(c27.66,43.289) 28.599,44.228 ccw(c27.66,43.289) 27.66,44.617 ; 27.66,44.617 ccw(c27.66,45.945) 28.599,45.006 cw(c27.66,45.945) 27.66,44.617 ; 33.963,4.242 cw(c33.48,4.242) 33.821,3.9 ccw(c33.48,4.242) 33.963,4.242 ; 33.963,4.242 ccw(c34.446,4.242) 34.104,3.9 cw(c34.446,4.242) 33.963,4.242 ; 51.953,31.603 cw(c51.953,32.086) 51.611,31.744 ccw(c51.953,32.086) 51.953,31.603 ; 51.953,31.603 ccw(c51.953,31.12) 51.611,31.461 cw(c51.953,31.12) 51.953,31.603 ; 52.588,31.877 v1(52.588,35.977) ; 64.153,7.603 cw(c64.153,8.086) 63.811,7.744 ccw(c64.153,8.086) 64.153,7.603 ; 64.153,7.603 ccw(c64.153,7.12) 63.811,7.461 cw(c64.153,7.12) 64.153,7.603 ; 71.953,7.603 cw(c71.953,8.086) 71.611,7.744 ccw(c71.953,8.086) 71.953,7.603 ; 71.953,7.603 ccw(c71.953,7.12) 71.611,7.461 cw(c71.953,7.12) 71.953,7.603 ; 75.987,31.603 cw(c75.987,31.12) 76.329,31.461 ccw(c75.987,31.12) 75.987,31.603 ; 75.987,31.603 ccw(c75.987,32.086) 76.329,31.744 cw(c75.987,32.086) 75.987,31.603 ; 75.987,36.003 cw(c75.987,35.52) 76.329,35.861 ccw(c75.987,35.52) 75.987,36.003 ; 75.987,36.003 ccw(c75.987,36.486) 76.329,36.144 cw(c75.987,36.486) 75.987,36.003 ; 79.653,7.603 cw(c79.653,8.086) 79.311,7.744 ccw(c79.653,8.086) 79.653,7.603 ; 79.653,7.603 ccw(c79.653,7.12) 79.311,7.461 cw(c79.653,7.12) 79.653,7.603 ; 87.453,7.603 cw(c87.453,8.086) 87.111,7.744 ccw(c87.453,8.086) 87.453,7.603 ; 87.453,7.603 ccw(c87.453,7.12) 87.111,7.461 cw(c87.453,7.12) 87.453,7.603 ; 92.853,63.503 cw(c92.853,63.986) 92.511,63.644 ccw(c92.853,63.986) 92.853,63.503 ; 92.853,63.503 ccw(c92.853,63.02) 92.511,63.361 cw(c92.853,63.02) 92.853,63.503 ; 95.153,7.603 cw(c95.153,8.086) 94.811,7.744 ccw(c95.153,8.086) 95.153,7.603 ; 95.153,7.603 ccw(c95.153,7.12) 94.811,7.461 cw(c95.153,7.12) 95.153,7.603 ; 100.553,63.503 cw(c100.553,63.986) 100.211,63.644 ccw(c100.553,63.986) 100.553,63.503 ; 100.553,63.503 ccw(c100.553,63.02) 100.211,63.361 cw(c100.553,63.02) 100.553,63.503 ; D94.1@11.47,46.128 ccw(c11.47,46.671) 11.854,46.287 cw(c11.47,46.671) D94.1@11.47,46.128 ; D94.1@11.67,45.928 cw(c12.092,45.928) 11.794,46.226 ccw(c12.092,45.928) D94.1@11.67,45.928 ; D27.1@51.611,35.836 cw(c51.952,35.496) 51.952,35.977 ccw(c51.952,35.496) D27.1@51.611,35.836 ; D27.1@51.611,36.119 ccw(c51.954,36.462) 51.954,35.977 cw(c51.954,36.462) D27.1@51.611,36.119 ; v1@74.659,35.906 cw(c74.891,35.674) 74.891,36.003 ccw(c74.891,35.674) v1@74.659,35.906 ; D43.1@76.47,36.228 ccw(c76.47,36.771) 76.854,36.387 cw(c76.47,36.771) D43.1@76.47,36.228 ; D43.1@76.67,36.028 cw(c77.092,36.028) 76.794,36.326 ccw(c77.092,36.028) D43.1@76.67,36.028
  Bottom Layer w0.4: P3.5@28.988,44.617 51.648,44.617 v1(52.588,43.677) ; v1(33.963,6.052) 51.863,6.052 v1(52.588,6.777) v1(64.788,6.777) v1(72.588,6.777) v1(80.288,6.777) v1(88.088,6.777) v1(95.788,6.777) v1@95.888,6.777 ; v1(52.588,35.977) v1(74.588,35.977) ; v1(78.688,62.777) v1(93.588,62.777) v1@101.088,62.777 ; 30.316,44.617 cw(c30.316,45.945) 29.377,45.006 ccw(c30.316,45.945) 30.316,44.617 ; 30.316,44.617 ccw(c30.316,43.289) 29.377,44.228 cw(c30.316,43.289) 30.316,44.617
SEG6: D6.1 D20.1 D28.1 D36.1 D44.1 D52.1 D95.1 D96.1 D97.1 D98.1 D99.1 D100.1 D101.1 D103.1 P3.6 | length 276.8
  Top Layer w0.203: 26.488,41.277 cw(c27.238,41.327) 27.188,42.077
  Top Layer w0.4: D103.1@20.97,45.903 22.663,45.903 26.488,42.077 ; D101.1@21.963,3.759 21.963,5.152 24.088,7.277 v1(24.088,11.577) ; P3.6@28.988,42.077 26.488,42.077 ; D100.1@29.67,10.503 29.67,31.895 26.488,35.077 26.488,42.077 ; D28.1@51.47,52.103 50.714,52.103 50.388,51.777 50.388,48.784 D36.1@51.47,47.703 v1(53.663,47.703) v1(53.663,42.103) ; D95.1@63.67,12.303 64.463,12.303 64.788,11.977 v1(64.788,11.577) ; 64.335,12.431 cw(c63.481,11.577) v1@64.688,11.577 ; D96.1@71.47,12.303 72.463,12.303 72.688,12.077 v1(72.688,11.577) ; v1(75.414,47.703) D52.1@76.47,47.703 77.214,47.703 77.588,48.077 v1(77.588,67.577) ; D44.1@76.47,52.103 77.514,52.103 ; D97.1@79.17,12.303 80.163,12.303 80.388,12.077 v1(80.388,11.577) ; D98.1@86.97,12.303 87.963,12.303 88.188,12.077 v1(88.188,11.577) ; D6.1@92.37,68.303 93.163,68.303 93.388,68.077 v1@93.388,67.777 ; D99.1@94.67,12.303 95.663,12.303 95.888,12.077 v1(95.888,11.577) ; D20.1@100.17,68.303 101.063,68.303 101.288,68.077 v1(101.288,67.577) ; 21.453,45.903 cw(c21.453,46.386) 21.111,46.044 ccw(c21.453,46.386) 21.453,45.903 ; 21.453,45.903 ccw(c21.453,45.42) 21.111,45.761 cw(c21.453,45.42) 21.453,45.903 ; 21.963,4.242 cw(c21.48,4.242) 21.821,3.9 ccw(c21.48,4.242) 21.963,4.242 ; 21.963,4.242 ccw(c22.446,4.242) 22.104,3.9 cw(c22.446,4.242) 21.963,4.242 ; 27.66,42.077 cw(c27.66,40.749) 28.599,41.688 ccw(c27.66,40.749) 27.66,42.077 ; 27.66,42.077 ccw(c27.66,43.405) 28.599,42.466 cw(c27.66,43.405) 27.66,42.077 ; 29.67,11.011 cw(c29.187,11.011) 29.529,10.669 ccw(c29.187,11.011) 29.67,11.011 ; 29.67,11.011 ccw(c30.153,11.011) 29.811,10.669 cw(c30.153,11.011) 29.67,11.011 ; 50.987,52.103 cw(c50.987,51.62) 51.329,51.961 ccw(c50.987,51.62) 50.987,52.103 ; 50.987,52.103 ccw(c50.987,52.586) 51.329,52.244 cw(c50.987,52.586) 50.987,52.103 ; 51.953,47.703 cw(c51.953,48.186) 51.611,47.844 ccw(c51.953,48.186) 51.953,47.703 ; 51.953,47.703 ccw(c51.953,47.22) 51.611,47.561 cw(c51.953,47.22) 51.953,47.703 ; 64.153,12.303 cw(c64.153,12.786) 63.811,12.444 ccw(c64.153,12.786) 64.153,12.303 ; 64.153,12.303 ccw(c64.153,11.82) 63.811,12.161 cw(c64.153,11.82) 64.153,12.303 ; 71.953,12.303 cw(c71.953,12.786) 71.611,12.444 ccw(c71.953,12.786) 71.953,12.303 ; 71.953,12.303 ccw(c71.953,11.82) 71.611,12.161 cw(c71.953,11.82) 71.953,12.303 ; 75.987,47.703 cw(c75.987,47.22) 76.329,47.561 ccw(c75.987,47.22) 75.987,47.703 ; 75.987,47.703 ccw(c75.987,48.186) 76.329,47.844 cw(c75.987,48.186) 75.987,47.703 ; 76.953,47.703 cw(c76.953,48.186) 76.611,47.844 ccw(c76.953,48.186) 76.953,47.703 ; 76.953,47.703 ccw(c76.953,47.22) 76.611,47.561 cw(c76.953,47.22) 76.953,47.703 ; 76.953,52.103 cw(c76.953,52.586) 76.611,52.244 ccw(c76.953,52.586) 76.953,52.103 ; 76.953,52.103 ccw(c76.953,51.62) 76.611,51.961 cw(c76.953,51.62) 76.953,52.103 ; 79.653,12.303 cw(c79.653,12.786) 79.311,12.444 ccw(c79.653,12.786) 79.653,12.303 ; 79.653,12.303 ccw(c79.653,11.82) 79.311,12.161 cw(c79.653,11.82) 79.653,12.303 ; 87.453,12.303 cw(c87.453,12.786) 87.111,12.444 ccw(c87.453,12.786) 87.453,12.303 ; 87.453,12.303 ccw(c87.453,11.82) 87.111,12.161 cw(c87.453,11.82) 87.453,12.303 ; 92.853,68.303 cw(c92.853,68.786) 92.511,68.444 ccw(c92.853,68.786) 92.853,68.303 ; 92.853,68.303 ccw(c92.853,67.82) 92.511,68.161 cw(c92.853,67.82) 92.853,68.303 ; 95.153,12.303 cw(c95.153,12.786) 94.811,12.444 ccw(c95.153,12.786) 95.153,12.303 ; 95.153,12.303 ccw(c95.153,11.82) 94.811,12.161 cw(c95.153,11.82) 95.153,12.303 ; 100.653,68.303 cw(c100.653,68.786) 100.311,68.444 ccw(c100.653,68.786) 100.653,68.303 ; 100.653,68.303 ccw(c100.653,67.82) 100.311,68.161 cw(c100.653,67.82) 100.653,68.303 ; D36.1@51.086,48.087 ccw(c51.47,48.471) 51.47,47.928 cw(c51.47,48.471) D36.1@51.086,48.087 ; D36.1@51.146,48.026 cw(c50.847,47.728) 51.27,47.728 ccw(c50.847,47.728) D36.1@51.146,48.026
  Bottom Layer w0.4: v1(24.088,11.577) v1(29.688,11.577) v1(64.788,11.577) v1(72.688,11.577) v1(80.388,11.577) v1(88.188,11.577) v1(95.888,11.577) ; P3.6@28.988,42.077 v1@53.663,42.077 ; v1@53.714,47.703 v1(75.414,47.703) ; v1(77.588,67.577) v1(93.388,67.577) v1(101.288,67.577) ; 30.316,42.077 cw(c30.316,43.405) 29.377,42.466 ccw(c30.316,43.405) 30.316,42.077 ; 30.316,42.077 ccw(c30.316,40.749) 29.377,41.688 cw(c30.316,40.749) 30.316,42.077 ; 53.36,42.077 ccw(c53.36,42.406) 53.592,42.173 cw(c53.36,42.406) 53.36,42.077
SEG7: D7.1 D21.1 D29.1 D37.1 D45.1 D53.1 D75.1 D84.1 D93.1 D102.1 D104.1 D105.1 D106.1 D107.1 P3.7 | length 285.8
  Top Layer w0.4: D102.1@9.863,3.759 9.863,9.952 v1(10.588,10.677) ; D75.1@11.47,34.003 11.47,37.959 13.048,39.537 v1(17.748,39.537) ; v1@32.039,10.677 D93.1@33.095,10.677 ; v1(39.106,41.059) D29.1@40.663,41.059 ; v1(44.088,41.059) D37.1@45.063,41.059 ; v1(56.488,41.077) 56.488,10.477 57.806,9.159 v1(59.607,9.159) D104.1@60.563,9.159 ; D45.1@65.663,41.059 v1(65.663,42.052) ; v1@67.606,9.159 D105.1@68.363,9.159 ; v1@69.979,64.968 68.688,63.677 68.688,54.477 70.063,53.103 v1(70.063,42.052) D53.1@70.063,41.059 ; v1(75.206,9.159) D106.1@76.063,9.159 ; v1@82.906,9.159 D107.1@83.763,9.159 ; v1(88.006,64.959) D7.1@88.963,64.959 ; v1(90.588,9.159) D84.1@91.563,9.159 ; v1@95.795,64.977 v1(95.888,64.977) D21.1@96.788,64.977 ; 9.863,4.242 cw(c9.38,4.242) 9.721,3.9 ccw(c9.38,4.242) 9.863,4.242 ; 9.863,4.242 ccw(c10.346,4.242) 10.004,3.9 cw(c10.346,4.242) 9.863,4.242 ; 11.47,34.511 cw(c10.987,34.511) 11.329,34.169 ccw(c10.987,34.511) 11.47,34.511 ; 11.47,34.511 ccw(c11.953,34.511) 11.611,34.169 cw(c11.953,34.511) 11.47,34.511 ; 40.155,41.059 cw(c40.155,40.576) 40.496,40.917 ccw(c40.155,40.576) 40.155,41.059 ; 40.155,41.059 ccw(c40.155,41.542) 40.496,41.2 cw(c40.155,41.542) 40.155,41.059 ; 44.555,41.059 cw(c44.555,40.576) 44.896,40.917 ccw(c44.555,40.576) 44.555,41.059 ; 44.555,41.059 ccw(c44.555,41.542) 44.896,41.2 cw(c44.555,41.542) 44.555,41.059 ; 60.055,9.159 cw(c60.055,8.676) 60.396,9.017 ccw(c60.055,8.676) 60.055,9.159 ; 60.055,9.159 ccw(c60.055,9.642) 60.396,9.3 cw(c60.055,9.642) 60.055,9.159 ; 65.663,41.542 cw(c65.18,41.542) 65.521,41.2 ccw(c65.18,41.542) 65.663,41.542 ; 65.663,41.542 ccw(c66.146,41.542) 65.804,41.2 cw(c66.146,41.542) 65.663,41.542 ; 67.855,9.159 cw(c67.855,8.676) 68.196,9.017 ccw(c67.855,8.676) 67.855,9.159 ; 67.855,9.159 ccw(c67.855,9.642) 68.196,9.3 cw(c67.855,9.642) 67.855,9.159 ; 70.063,41.542 cw(c69.58,41.542) 69.921,41.2 ccw(c69.58,41.542) 70.063,41.542 ; 70.063,41.542 ccw(c70.546,41.542) 70.204,41.2 cw(c70.546,41.542) 70.063,41.542 ; 75.555,9.159 cw(c75.555,8.676) 75.896,9.017 ccw(c75.555,8.676) 75.555,9.159 ; 75.555,9.159 ccw(c75.555,9.642) 75.896,9.3 cw(c75.555,9.642) 75.555,9.159 ; 83.255,9.159 cw(c83.255,8.676) 83.596,9.017 ccw(c83.255,8.676) 83.255,9.159 ; 83.255,9.159 ccw(c83.255,9.642) 83.596,9.3 cw(c83.255,9.642) 83.255,9.159 ; 91.055,9.159 cw(c91.055,8.676) 91.396,9.017 ccw(c91.055,8.676) 91.055,9.159 ; 91.055,9.159 ccw(c91.055,9.642) 91.396,9.3 cw(c91.055,9.642) 91.055,9.159 ; v1@32.226,10.677 cw(c32.226,9.684) 32.929,10.386 ccw(c32.226,9.684) v1@32.226,10.677 ; v1@56.392,10.573 ccw(c56.16,10.806) 56.488,10.806 cw(c56.16,10.806) v1@56.392,10.573 ; 88.313,64.959 ccw(c88.313,65.783) 88.896,65.2 cw(c88.313,65.783) 88.313,64.959 ; v1@96.158,64.977 ccw(c96.158,65.739) 96.696,65.2 cw(c96.158,65.739) v1@96.158,64.977
  Bottom Layer w0.4: v1(10.588,10.677) 40.988,10.677 v1@56.488,10.677 ; v1(17.748,39.537) P3.7@28.988,39.537 ; 23.128,39.537 P3.7@28.988,39.537 ; v1@39.088,41.077 37.548,39.537 P3.7@28.988,39.537 ; v1(39.106,41.059) 63.17,41.059 64.163,42.052 v1(65.663,42.052) v1(70.063,42.052) ; v1(59.607,9.159) v1(75.206,9.159) v1(90.588,9.159) ; v1(69.988,64.959) v1(88.006,64.959) v1@95.77,64.959 ; 27.66,39.537 cw(c27.66,38.209) P3.7@28.599,39.148 ; 27.66,39.537 ccw(c27.66,40.865) P3.7@28.599,39.926 ; 27.66,39.537 cw(c27.66,38.209) P3.7@28.599,39.148 ; 27.66,39.537 ccw(c27.66,40.865) P3.7@28.599,39.926 ; 27.66,39.537 ccw(c27.66,40.865) P3.7@28.599,39.926 ; 27.66,39.537 cw(c27.66,38.209) P3.7@28.599,39.148 ; 27.66,39.537 ccw(c27.66,40.865) P3.7@28.599,39.926 ; 27.66,39.537 cw(c27.66,38.209) P3.7@28.599,39.148 ; 30.316,39.537 cw(c30.316,40.865) 29.377,39.926 ccw(c30.316,40.865) 30.316,39.537 ; 30.316,39.537 ccw(c30.316,38.209) 29.377,39.148 cw(c30.316,38.209) 30.316,39.537 ; 38.873,40.862 cw(c39.106,40.629) 39.106,40.959 ccw(c39.106,40.629) 38.873,40.862 ; 55.8,10.677 cw(c55.8,9.84) 56.392,10.432 ccw(c55.8,9.84) 55.8,10.677
  other v1: 67.488,9.177 82.788,9.177 56.463,10.503 32.088,10.677
SEG8: D8.1 D13.1 D14.1 D22.1 D30.1 D38.1 D46.1 D57.1 D66.1 P3.8 | length 288.9
  Top Layer w0.4: v1(13.763,57.052) D30.1@13.763,68.533 13.763,68.752 14.688,69.677 36.888,69.677 38.006,68.559 D22.1@40.27,68.559 ; D14.1@20.97,34.003 v1@20.97,36.997 ; P3.8@28.988,36.997 30.788,35.197 30.788,23.377 ; 30.788,29.077 30.788,23.377 ; D13.1@36.57,10.503 30.788,16.284 30.788,23.377 ; D22.1@40.463,68.559 D22.1@40.27,68.559 ; 67.463,69.752 D38.1@67.463,68.559 63.206,68.559 61.988,69.777 41.488,69.777 D22.1@40.27,68.559 ; 67.463,69.777 67.463,70.452 68.888,71.877 102.388,71.877 104.163,70.103 D8.1@104.163,62.659 104.163,25.552 103.063,24.452 D66.1@103.063,6.859 ; v1(89.463,24.503) D46.1@89.463,25.459 ; v1(97.563,24.503) D57.1@97.563,25.459 ; 13.763,68.051 cw(c14.246,68.051) 13.904,68.392 ccw(c14.246,68.051) 13.763,68.051 ; 13.763,68.051 ccw(c13.28,68.051) 13.621,68.392 cw(c13.28,68.051) 13.763,68.051 ; 20.97,34.511 cw(c20.487,34.511) 20.829,34.169 ccw(c20.487,34.511) 20.97,34.511 ; 20.97,34.511 ccw(c21.453,34.511) 21.111,34.169 cw(c21.453,34.511) 20.97,34.511 ; 29.927,36.058 cw(c30.866,36.997) 29.538,36.997 ccw(c30.866,36.997) 29.927,36.058 ; 29.927,36.058 ccw(c28.988,35.119) 28.988,36.447 cw(c28.988,35.119) 29.927,36.058 ; 39.955,68.559 cw(c39.955,68.076) 40.296,68.417 ccw(c39.955,68.076) 39.955,68.559 ; 39.955,68.559 ccw(c39.955,69.042) 40.296,68.7 cw(c39.955,69.042) 39.955,68.559 ; 66.955,68.559 cw(c66.955,68.076) 67.296,68.417 ccw(c66.955,68.076) 66.955,68.559 ; 66.955,68.559 ccw(c66.955,69.042) 67.296,68.7 cw(c66.955,69.042) 66.955,68.559 ; 67.463,69.042 cw(c66.98,69.042) 67.321,68.7 ccw(c66.98,69.042) 67.463,69.042 ; 67.463,69.042 ccw(c67.946,69.042) 67.604,68.7 cw(c67.946,69.042) 67.463,69.042 ; 89.463,24.976 cw(c89.946,24.976) 89.604,25.317 ccw(c89.946,24.976) 89.463,24.976 ; 89.463,24.976 ccw(c88.98,24.976) 89.321,25.317 cw(c88.98,24.976) 89.463,24.976 ; 97.563,24.976 cw(c98.046,24.976) 97.704,25.317 ccw(c98.046,24.976) 97.563,24.976 ; 97.563,24.976 ccw(c97.08,24.976) 97.421,25.317 cw(c97.08,24.976) 97.563,24.976 ; 103.063,7.342 cw(c102.58,7.342) 102.921,7 ccw(c102.58,7.342) 103.063,7.342 ; 103.063,7.342 ccw(c103.546,7.342) 103.204,7 cw(c103.546,7.342) 103.063,7.342 ; 104.163,62.176 cw(c104.646,62.176) 104.304,62.517 ccw(c104.646,62.176) 104.163,62.176 ; 104.163,62.176 ccw(c103.68,62.176) 104.021,62.517 cw(c103.68,62.176) 104.163,62.176 ; 104.163,63.142 cw(c103.68,63.142) 104.021,62.8 ccw(c103.68,63.142) 104.163,63.142 ; 104.163,63.142 ccw(c104.646,63.142) 104.304,62.8 cw(c104.646,63.142) 104.163,63.142 ; D30.1@13.988,68.533 cw(c15.058,68.533) 14.301,69.29 ccw(c15.058,68.533) D30.1@13.988,68.533 ; v1@20.861,36.926 cw(c20.598,36.663) 20.97,36.663 ccw(c20.598,36.663) v1@20.861,36.926 ; D13.1@36.186,10.887 ccw(c36.57,11.271) 36.57,10.728 cw(c36.57,11.271) D13.1@36.186,10.887 ; D13.1@36.246,10.826 cw(c35.947,10.528) 36.37,10.528 ccw(c35.947,10.528) D13.1@36.246,10.826 ; D22.1@40.688,68.559 cw(c41.696,68.559) 40.983,69.272 ccw(c41.696,68.559) D22.1@40.688,68.559 ; 103.063,24.2 cw(c103.391,24.2) 103.159,24.432 ccw(c103.391,24.2) 103.063,24.2
  Bottom Layer w0.4: v1(13.763,57.052) 13.763,38.103 14.868,36.997 P3.8@28.988,36.997 ; v1(89.463,24.503) v1(97.563,24.503) v1(103.088,24.503) ; 27.66,36.997 cw(c27.66,35.669) 28.599,36.608 ccw(c27.66,35.669) 27.66,36.997 ; 27.66,36.997 ccw(c27.66,38.325) 28.599,37.386 cw(c27.66,38.325) 27.66,36.997
  other v1: 20.932,36.997

## Keep-outs
Keep-Out Layer:
  circle w0.1: c4.238,39.238 r2.75
  circle w0.1: c112.238,37.238 r2.75
  circle w0.1: c95.238,53.738 r0.8
  circle w0.1: c95.238,18.238 r0.8
  circle w0.1: c23.238,27.238 r0.8
  circle w0.1: c23.238,60.238 r0.8
  lines w0.1: 0,0 0,22.686 0,55.686 0,76.476 22.686,76.476 94.686,76.476 116.476,76.476 116.476,55.686 116.476,36.738 116.476,22.686 116.476,0 95.79,0 22.686,0 0,0

## Silkscreen, mask and mechanical layers (free items; w line width, h text height)
Top Overlay:
  drawing of 2 lines, arcs and shapes, not listed
  text "2017.49" at 3.6,22.9 h2.03
  text "佳恒新能源_JP-LED V1.0" at 3.4,20.9 h2.03
Mechanical 1:
  circle w0.1: c23.238,27.238 r0.8
  circle w0.1: c95.238,18.238 r0.8
  circle w0.1: c95.238,53.738 r0.8
  circle w0.1: c112.238,37.238 r2.75
  circle w0.1: c4.238,39.238 r2.75
  lines w0.1: 0,0 0,22.686 0,55.686 0,76.476 22.686,76.476 94.686,76.476 116.476,76.476 116.476,55.686 116.476,36.738 116.476,22.686 116.476,0 95.79,0 22.686,0 0,0
Mechanical 3:
  drawing of 1025 lines, arcs and shapes, not listed